# Altium PCB top_LM_v2.PcbDoc (part 3 of 5)
Units mil, origin at the board's own origin, x right, y up, seen from the top; angles counter-clockwise.
Board outline 13413.03 x 6200.01 mil, 2 copper layers (Top Layer, Bottom Layer); 718 components, 600 nets, 1834 pads, 540 vias.
Unrouted connection lines stored in the file: 144.
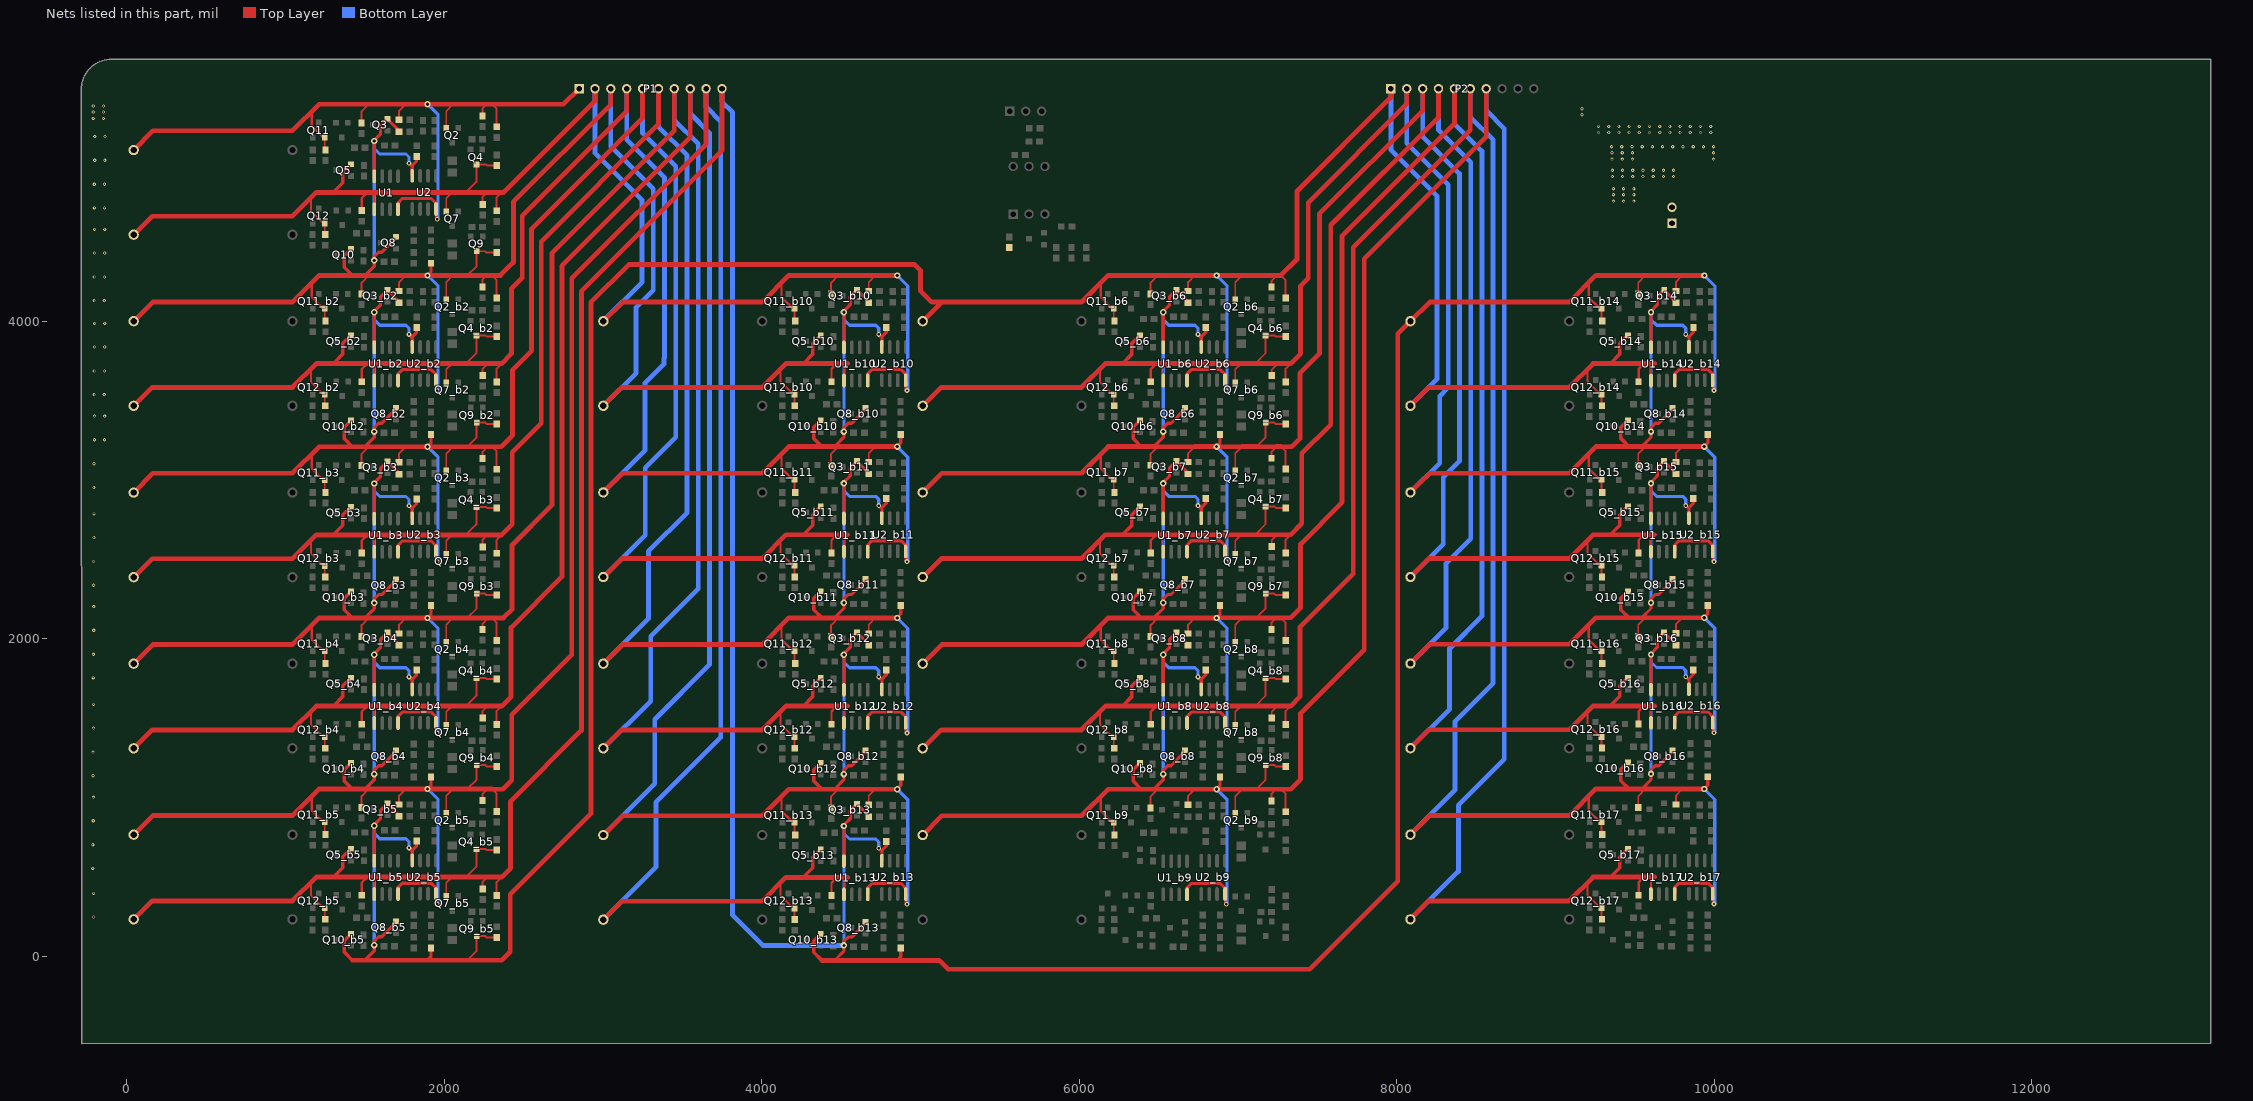
[diagram p3: the nets of this part, all layers, seen from the top]

## Via types
v1: diameter 20, hole 10, Top Layer to Bottom Layer, 453 vias
v2: diameter 40, hole 20, Top Layer to Bottom Layer, 51 vias
v3: diameter 30, hole 15, Top Layer to Bottom Layer, 34 vias
v4: diameter 125.98, hole 125.98, Top Layer to Bottom Layer, 2 vias

## Nets (pads, with @x,y where several pads share a name; then routed paths per layer and width w, separated by ;. In a path a pad name is that pad's centre, name@x,y a point inside that pad or via, vN(x,y) a via of type N, cw(c..) or ccw(c..) an arc to the next point about the centre after c; other vN are vias at no path point) (continued)
GND: P6.1 P6.2
  other v1: -208.25,247 -208,396 -212.25,553 -212,702 -209.25,853 -209,1002 -211.25,1137 -211,1286 -208.25,1437 -208,1586 -209.25,1753 -209,1902 -206.25,2053 -206,2202 -208.25,2337 -208,2486 -205.25,2637 -205,2786 -205.25,2953 -205,3102 -202.25,3253 -138,3253 -202,3402 -137.75,3402 -204.25,3537 -140,3537 -204,3686 -139.75,3686 -201.25,3837 -137,3837 -201,3986 -136.75,3986 -204.25,4129 -140,4129 -204,4278 -139.75,4278 -201.25,4429 -137,4429 -201,4578 -136.75,4578 -203.25,4713 -139,4713 9364.5,4756 9428.75,4756 9493,4756 9364.5,4796 9428.75,4796 9493,4796 9364.5,4834 9428.75,4834 9493,4834 -203,4862 -138.75,4862 9358,4910 9422.25,4910 9486.5,4910 9550.75,4910 9615,4910 9679.25,4910 9743.5,4910 9358,4950 9422.25,4950 9486.5,4950 9550.75,4950 9615,4950 9679.25,4950 9743.5,4950 -200.25,5013 -136,5013 9355.5,5020 9419.75,5020 9484,5020 9995.25,5020 9355.5,5060 9419.75,5060 9484,5060 9995.25,5060 9352.75,5098 9417,5098 9481.25,5098 9545.5,5098 9609.75,5098 9674,5098 9738.25,5098 9802.5,5098 9866.75,5098 9931,5098 9995.25,5098 -200,5162 -135.75,5162 9270.25,5188 9334.5,5188 9398.75,5188 9463,5188 9527.25,5188 9591.5,5188 9655.75,5188 9720,5188 9784.25,5188 9848.5,5188 9912.75,5188 9977,5188 9270.25,5226 9334.5,5226 9398.75,5226 9463,5226 9527.25,5226 9591.5,5226 9655.75,5226 9720,5226 9784.25,5226 9848.5,5226 9912.75,5226 9977,5226 -210,5277 -145.75,5277 9166.25,5300 -210,5317 -145.75,5317 9166.25,5338 -210,5355 -145.75,5355
IN_A0: P1.1 Q2.2 Q11.2 R1.2 R6.2 R7.2 R8.2 R9.2 R40.1 U1.8 U2.8 | length 5062.8
  Top Layer w12: Q11.2@1248.4,5157 1248.4,5082.32 R40.1@1253,5077.72 ; R6.2@1479.87,5248.46 1479.87,5320.79 1524.61,5365.54 ; R9.2@1716.54,5268.26 1716.54,5324.07 1758,5365.54 ; Q2.2@2013.26,5216 Q2.2@2013.46,5215.8 2013.46,5323 2056,5365.54 ; R7.2@2242,5292.46 2242,5339.54 2268,5365.54 ; 2301.25,5365.54 2330.87,5335.92 R8.2@2330.87,5224 R8.2@2330.4,5223.54
  Top Layer w15: 1167,5314.79 1167,5228.82 Q11.2@1238.82,5157 ; U2.8@1949,4706.05 1949,4649.26 v3(1957,4641.26)
  Top Layer w20: Q11.2@1238.82,5157 Q11.2@1248.4,5157 ; U1.8@1710,4703.77 1710,4746.26 1736,4772.26 1920,4772.26 1949,4743.26 U2.8@1949,4706.05
  Top Layer w30: R1.2@45,5077.26 166.02,5198.28 1045,5198.28 1212.25,5365.54 1524.61,5365.54 1758,5365.54 v2(1895.87,5365.54) 2056,5365.54 2268,5365.54 2301.25,5365.54 2751.54,5365.54 P1.1@2850,5464
  Bottom Layer w20: v2(1895.87,5365.54) 1962,5299.4 1962,4646.26 v3(1957,4641.26)
IN_A1: P1.3 Q2_b2.2 Q3.2 Q5_b10.2 Q8.2 Q9.3 Q10.2 Q11_b2.2 Q12_b10.2 R1_b2.2 R6_b2.2 R7_b2.2 R8_b2.2 R9_b2.2 R12.1 R14_b10.2 R19_b10.2 R24.1 R40_b2.1 R42_b10.1 R44.2 R48.2 U1.4 U1_b2.8 U1_b10.5 U2.4 U2_b2.8 | length 13379.3
  Top Layer w12: Q11_b2.2@1248.4,4079 1248.4,4004.32 R40_b2.1@1253,3999.72 ; R6_b2.2@1479.87,4170.46 1479.87,4242.79 1524.54,4287.46 1524.61,4287.54 ; R9_b2.2@1716.54,4190.26 1716.54,4246.07 1757.93,4287.46 1758,4287.54 ; Q2_b2.2@2013.46,4137.8 2013.46,4245 2055.93,4287.46 2056,4287.54 ; 2145.32,4287.54 2204.87,4347.08 Q9.3@2204.87,4440.28 2257.61,4440.28 2266.81,4431.07 R24.1@2330.87,4431.07 ; R7_b2.2@2242,4214.46 2242,4263.54 2265.93,4287.46 2266,4287.54 ; 2301.25,4287.54 2301.32,4287.46 2330.87,4257.92 R8_b2.2@2330.87,4146 R8_b2.2@2330.4,4145.54 ; 4119,3697.04 4119,3617.26 4198.26,3538 Q12_b10.2@4206.4,3538 4206.4,3469.32 R42_b10.1@4209,3466.72 ; U1_b10.5@4518,3625.77 4518,3710.54 4540,3732.54
  Top Layer w15: 1167,4236.79 1167,4150.82 Q11_b2.2@1238.82,4079 ; U2_b2.8@1949,3628.05 1949,3571.26 v3(1957,3563.26) ; R19_b10.2@4439.87,3618 4439.87,3697.54 4474.87,3732.54 4478.87,3732.54
  Top Layer w20: Q11_b2.2@1238.82,4079 Q11_b2.2@1248.4,4079 ; 1503.87,4290.07 1560,4346.2 v2(1560,4382.26) 1560,4407.26 1587,4434.26 1608.44,4434.26 1696.26,4522.08 Q8.2@1696.26,4531.66 ; U1.4@1560,4912.75 v2(1560,5134.26) 1560,5140.26 1600,5180.26 1600,5231.4 Q3.2@1643.26,5274.66 1643.26,5271.91 1716.54,5198.64 R12.1@1716.54,5193.26 ; U1_b2.8@1710,3625.77 1710,3668.26 1736,3694.26 1920,3694.26 1949,3665.26 U2_b2.8@1949,3628.05 ; v3(1779,4994.26) 1793,4980.26 1799,4980.26 ; U2.4@1799,4915.02 1799,4980.26 ; R48.2@1827,5037.8 1827,5008.26 1799,4980.26 ; v2@1894,4287.46 1894.07,4287.54 1918,4311.46 R44.2@1918,4364.8
  Top Layer w22: Q10.2@1414.13,4453.94 1370.87,4410.68 1370.87,4338.54 1421.87,4287.54 ; 4260.87,3732.54 4320.87,3792.54 4320.87,3859.68 Q5_b10.2@4372.13,3910.94
  Top Layer w30: R1_b2.2@45,3999.26 166.02,4120.28 1045,4120.28 1212.25,4287.54 1421.87,4287.54 1524.61,4287.54 ; 1524.54,4287.46 1757.93,4287.46 ; 1758,4287.54 1894.07,4287.54 v2(1895.87,4287.54) ; v2@1894,4287.46 2055.93,4287.46 2265.93,4287.46 ; 2056,4287.54 2145.32,4287.54 ; 2266,4287.46 2289,4287.46 ; 2266,4287.54 2289.07,4287.54 ; 2301.25,4287.54 2289.07,4287.54 ; R14_b10.2@3003,3466.26 3119.28,3582.54 4003,3582.54 4153,3732.54 4260.87,3732.54 4474.87,3732.54 ; P1.3@3050,5464 3050,5363.58 2437,4750.58 2437,4369.46 2355,4287.46 2301.32,4287.46 2289,4287.46 ; 4478.87,3732.54 4540,3732.54 ; 2289,4287.46 2289.07,4287.54
  Bottom Layer w20: v2(1560,4382.26) 1560,5087.26 ; v2(1560,5134.26) 1560,5087.26 ; v3(1779,4994.26) 1779,5033.26 1760,5052.26 1595,5052.26 1560,5087.26 ; v2(1895.87,4287.54) 1962,4221.4 1962,3568.26 v3(1957,3563.26)
  Bottom Layer w30: R14_b10.2@3003,3466.26 3209,3672.26 3209,4086.26 3317.74,4195 3317.74,4832.74 3050,5100.47 P1.3@3050,5464
IN_A2: P1.5 Q2_b3.2 Q3_b2.2 Q5_b11.2 Q8_b2.2 Q9_b2.3 Q10_b2.2 Q11_b3.2 Q12_b11.2 R1_b3.2 R6_b3.2 R7_b3.2 R8_b3.2 R9_b3.2 R12_b2.1 R14_b11.2 R19_b11.2 R24_b2.1 R40_b3.1 R42_b11.1 R44_b2.2 R48_b2.2 U1_b2.4 U1_b3.8 U1_b11.5 U2_b2.4 U2_b3.8 | length 15650.2
  Top Layer w12: Q11_b3.2@1248.4,3000 1248.4,2925.32 R40_b3.1@1253,2920.72 ; R6_b3.2@1479.87,3091.46 1479.87,3163.79 1524.61,3208.54 ; R9_b3.2@1716.54,3111.26 1716.54,3167.07 1758,3208.54 ; Q2_b3.2@2013.46,3058.8 2013.46,3166 2056,3208.54 ; 2145.25,3209.46 2204.87,3269.08 Q9_b2.3@2204.87,3362.28 2257.61,3362.28 2266.81,3353.07 R24_b2.1@2330.87,3353.07 ; R7_b3.2@2242,3135.46 2242,3177.46 2273.07,3208.54 2274,3209.46 ; 2301.25,3208.54 2330.87,3178.92 R8_b3.2@2330.87,3067 R8_b3.2@2330.4,3066.54 ; 4119,2619.04 4119,2539.26 4198.26,2460 Q12_b11.2@4206.4,2460 4206.4,2391.32 R42_b11.1@4209,2388.72 ; U1_b11.5@4518,2547.77 4518,2632.54 4540,2654.54
  Top Layer w15: 1167,3157.79 1167,3071.82 Q11_b3.2@1238.82,3000 ; U2_b3.8@1949,2549.05 1949,2492.26 v3(1957,2484.26) ; R19_b11.2@4439.87,2540 4439.87,2619.54 4474.87,2654.54 4478.87,2654.54
  Top Layer w20: Q11_b3.2@1238.82,3000 Q11_b3.2@1248.4,3000 ; 1503.87,3212.07 1560,3268.2 v2(1560,3304.26) 1560,3329.26 1587,3356.26 1608.44,3356.26 1696.26,3444.08 Q8_b2.2@1696.26,3453.66 ; U1_b2.4@1560,3834.75 v2(1560,4056.26) 1560,4062.26 1600,4102.26 1600,4153.4 Q3_b2.2@1643.26,4196.66 1643.26,4193.91 1716.54,4120.64 R12_b2.1@1716.54,4115.26 ; U1_b3.8@1710,2546.77 1710,2589.26 1736,2615.26 1920,2615.26 1949,2586.26 U2_b3.8@1949,2549.05 ; v3(1779,3916.26) 1793,3902.26 1799,3902.26 ; U2_b2.4@1799,3837.02 1799,3902.26 ; R48_b2.2@1827,3959.8 1827,3930.26 1799,3902.26 ; v2@1894,3209.46 1918,3233.46 R44_b2.2@1918,3286.8
  Top Layer w22: Q10_b2.2@1414.13,3375.94 1370.87,3332.68 1370.87,3260.54 1421.94,3209.46 ; 4260.87,2654.54 4320.87,2714.54 4320.87,2781.68 Q5_b11.2@4372.13,2832.94
  Top Layer w30: R1_b3.2@45,2920.26 166.02,3041.28 1045,3041.28 1212.25,3208.54 1524.61,3208.54 1758,3208.54 v2(1895.87,3208.54) ; v2@1894,3209.46 2145.25,3209.46 ; 2056,3208.54 2273.07,3208.54 ; 2274,3208.54 2301.25,3208.54 ; 2274,3209.46 2359,3209.46 2431,3281.46 2431,3694 2551,3814 2551,4581.74 3250,5280.74 P1.5@3250,5464 ; R14_b11.2@3003,2388.26 3119.28,2504.54 4003,2504.54 4153,2654.54 4260.87,2654.54 4474.87,2654.54 ; 4478.87,2654.54 4540,2654.54
  Bottom Layer w20: v2(1560,3304.26) 1560,4009.26 ; v2(1560,4056.26) 1560,4009.26 ; v3(1779,3916.26) 1779,3955.26 1760,3974.26 1595,3974.26 1560,4009.26 ; v2(1895.87,3208.54) 1962,3142.4 1962,2489.26 v3(1957,2484.26)
  Bottom Layer w30: R14_b11.2@3003,2388.26 3267,2652.26 3267,3077 3459.16,3269.16 3459.16,4974.16 3250,5183.31 P1.5@3250,5464
IN_A3: P1.7 Q2_b4.2 Q3_b3.2 Q5_b12.2 Q8_b3.2 Q9_b3.3 Q10_b3.2 Q11_b4.2 Q12_b12.2 R1_b4.2 R6_b4.2 R7_b4.2 R8_b4.2 R9_b4.2 R12_b3.1 R14_b12.2 R19_b12.2 R24_b3.1 R40_b4.1 R42_b12.1 R44_b3.2 R48_b3.2 U1_b3.4 U1_b4.8 U1_b12.5 U2_b3.4 U2_b4.8 | length 18697.9
  Top Layer w12: Q11_b4.2@1248.4,1922 1248.4,1847.32 R40_b4.1@1253,1842.72 ; R6_b4.2@1479.87,2013.46 1479.87,2085.79 1524.54,2130.46 1524.61,2130.54 ; R9_b4.2@1716.54,2033.26 1716.54,2089.07 1757.93,2130.46 1758,2130.54 ; Q2_b4.2@2013.26,1981 Q2_b4.2@2013.46,1980.8 2013.46,2088 2055.93,2130.46 2056,2130.54 ; 2145.25,2130.46 2145.32,2130.54 2204.87,2190.08 Q9_b3.3@2204.87,2283.28 2257.61,2283.28 2266.81,2274.07 R24_b3.1@2330.87,2274.07 ; R7_b4.2@2242,2057.46 2242,2095.46 2277,2130.46 ; 2301.25,2130.54 2301.32,2130.46 2330.87,2100.92 R8_b4.2@2330.87,1989 R8_b4.2@2330.4,1988.54 ; 4119,1540.04 4119,1460.26 4198.26,1381 Q12_b12.2@4206.4,1381 4206.4,1312.32 R42_b12.1@4209,1309.72 ; U1_b12.5@4518,1468.77 4518,1553.54 4540,1575.54
  Top Layer w15: 1167,2079.79 1167,1993.82 Q11_b4.2@1238.82,1922 ; U2_b4.8@1949,1471.05 1949,1414.26 v3(1957,1406.26) ; R19_b12.2@4439.87,1461 4439.87,1540.54 4474.87,1575.54 4478.87,1575.54
  Top Layer w20: Q11_b4.2@1238.82,1922 Q11_b4.2@1248.4,1922 ; 1503.87,2133.07 1560,2189.2 v2(1560,2225.26) 1560,2250.26 1587,2277.26 1608.44,2277.26 1696.26,2365.08 Q8_b3.2@1696.26,2374.66 ; 1523.87,2129.54 1524.8,2130.46 ; U1_b3.4@1560,2755.75 v2(1560,2977.26) 1560,2983.26 1600,3023.26 1600,3074.4 Q3_b3.2@1643.26,3117.66 1643.26,3114.91 1716.54,3041.64 R12_b3.1@1716.54,3036.26 ; U1_b4.8@1710,1468.77 1710,1511.26 1736,1537.26 1920,1537.26 1949,1508.26 U2_b4.8@1949,1471.05 ; v3(1779,2837.26) 1793,2823.26 1799,2823.26 ; U2_b3.4@1799,2758.02 1799,2823.26 ; R48_b3.2@1827,2880.8 1827,2851.26 1799,2823.26 ; v2@1894,2130.46 1894.07,2130.54 1918,2154.46 R44_b3.2@1918,2207.8
  Top Layer w22: Q10_b3.2@1414.13,2296.94 1370.87,2253.68 1370.87,2181.54 1421.87,2130.54 1421.94,2130.46 ; 4260.87,1575.54 4320.87,1635.54 4320.87,1702.68 Q5_b12.2@4372.13,1753.94
  Top Layer w30: R1_b4.2@45,1842.26 166.02,1963.28 1045,1963.28 1212.25,2130.54 1421.87,2130.54 1524.61,2130.54 1758,2130.54 1894.07,2130.54 v2(1895.87,2130.54) 2056,2130.54 2145.32,2130.54 2301.25,2130.54 ; 1421.94,2130.46 1524.54,2130.46 1524.8,2130.46 1757.93,2130.46 1894,2130.46 2055.93,2130.46 2145.25,2130.46 2277,2130.46 2301.32,2130.46 2374,2130.46 2428,2184.46 2428,2590 2679,2841 2679,4426.89 3450,5197.89 P1.7@3450,5464 ; R14_b12.2@3003,1309.26 3119.28,1425.54 4003,1425.54 4153,1575.54 4260.87,1575.54 4474.87,1575.54 ; 4478.87,1575.54 4540,1575.54
  Bottom Layer w20: v2(1560,2225.26) 1560,2930.26 ; v2(1560,2977.26) 1560,2930.26 ; v3(1779,2837.26) 1779,2876.26 1760,2895.26 1595,2895.26 1560,2930.26 ; v2(1895.87,2130.54) 1962,2064.4 1962,1411.26 v3(1957,1406.26)
  Bottom Layer w30: R14_b12.2@3003,1309.26 3301,1607.26 3301,2014 3600.58,2313.58 3600.58,5115.58 3450,5266.16 P1.7@3450,5464
IN_A4: P1.9 Q2_b5.2 Q3_b4.2 Q5_b13.2 Q8_b4.2 Q9_b4.3 Q10_b4.2 Q11_b5.2 Q12_b13.2 R1_b5.2 R6_b5.2 R7_b5.2 R8_b5.2 R9_b5.2 R12_b4.1 R14_b13.2 R19_b13.2 R24_b4.1 R40_b5.1 R42_b13.1 R44_b4.2 R48_b4.2 U1_b4.4 U1_b5.8 U1_b13.5 U2_b4.4 U2_b5.8 | length 20966.2
  Top Layer w12: Q11_b5.2@1248.4,845 1248.4,770.32 R40_b5.1@1253,765.72 ; R6_b5.2@1479.87,936.46 1479.87,1008.79 1523.54,1052.46 1524.61,1053.54 ; R9_b5.2@1716.54,956.26 1716.54,1012.07 1756.93,1052.46 1758,1053.54 ; Q2_b5.2@2013.26,904 Q2_b5.2@2013.46,903.8 2013.46,1011 2054.93,1052.46 2056,1053.54 ; 2145.25,1052.46 2146.32,1053.54 2204.87,1112.08 Q9_b4.3@2204.87,1205.28 2257.61,1205.28 2266.81,1196.07 R24_b4.1@2330.87,1196.07 ; R7_b5.2@2242,980.46 2242,1023.46 2271,1052.46 ; 2301.25,1053.54 2302.32,1052.46 2330.87,1023.92 R8_b5.2@2330.87,912 R8_b5.2@2330.4,911.54 ; 4119,461.04 4119,381.26 4198.26,302 Q12_b13.2@4206.4,302 4206.4,233.32 R42_b13.1@4209,230.72 ; U1_b13.5@4518,389.77 4518,474.54 4540,496.54
  Top Layer w15: 1167,1002.79 1167,916.82 Q11_b5.2@1238.82,845 ; U2_b5.8@1949,394.05 1949,337.26 v3(1957,329.26) ; R19_b13.2@4439.87,382 4439.87,461.54 4474.87,496.54 4478.87,496.54
  Top Layer w20: Q11_b5.2@1238.82,845 Q11_b5.2@1248.4,845 ; 1503.87,1055.07 1560,1111.2 v2(1560,1147.26) 1560,1172.26 1587,1199.26 1608.44,1199.26 1696.26,1287.08 Q8_b4.2@1696.26,1296.66 ; 1523.87,1051.54 1524.8,1052.46 ; U1_b4.4@1560,1677.75 v2(1560,1899.26) 1560,1905.26 1600,1945.26 1600,1996.4 Q3_b4.2@1643.26,2039.66 1643.26,2036.91 1716.54,1963.64 R12_b4.1@1716.54,1958.26 ; U1_b5.8@1710,391.77 1710,434.26 1736,460.26 1920,460.26 1949,431.26 U2_b5.8@1949,394.05 ; v3(1779,1759.26) 1793,1745.26 1799,1745.26 ; U2_b4.4@1799,1680.02 1799,1745.26 ; R48_b4.2@1827,1802.8 1827,1773.26 1799,1745.26 ; v2@1894,1052.46 1895.07,1053.54 1918,1076.46 R44_b4.2@1918,1129.8
  Top Layer w22: Q10_b4.2@1414.13,1218.94 1370.87,1175.68 1370.87,1103.54 1420.87,1053.54 1421.94,1052.46 ; 4260.87,496.54 4320.87,556.54 4320.87,623.68 Q5_b13.2@4372.13,674.94
  Top Layer w30: R1_b5.2@45,765.26 166.02,886.28 1045,886.28 1212.25,1053.54 1420.87,1053.54 1524.61,1053.54 1758,1053.54 1895.07,1053.54 v2(1895.87,1053.54) 2056,1053.54 2146.32,1053.54 2301.25,1053.54 ; 1421.94,1052.46 1523.54,1052.46 1524.8,1052.46 1756.93,1052.46 1894,1052.46 2054.93,1052.46 2145.25,1052.46 2271,1052.46 2302.32,1052.46 2370,1052.46 2426,1108.46 2426,1520 2804,1898 2804,4269.05 3650,5115.05 P1.9@3650,5464 ; R14_b13.2@3003,230.26 3119.28,346.54 4003,346.54 4153,496.54 4260.87,496.54 4474.87,496.54 ; 4478.87,496.54 4540,496.54
  Bottom Layer w20: v2(1560,1147.26) 1560,1852.26 ; v2(1560,1899.26) 1560,1852.26 ; v3(1779,1759.26) 1779,1798.26 1760,1817.26 1595,1817.26 1560,1852.26 ; v2(1895.87,1053.54) 1962,987.4 1962,334.26 v3(1957,329.26)
  Bottom Layer w30: R14_b13.2@3003,230.26 3334,561.26 3334,970 3742,1378 3742,5257 3650,5349 P1.9@3650,5464
IN_A5: P2.1 Q2_b6.2 Q3_b5.2 Q5_b14.2 Q8_b5.2 Q9_b5.3 Q10_b5.2 Q11_b6.2 Q12_b14.2 R1_b6.2 R6_b6.2 R7_b6.2 R8_b6.2 R9_b6.2 R12_b5.1 R14_b14.2 R19_b14.2 R24_b5.1 R40_b6.1 R42_b14.1 R44_b5.2 R48_b5.2 U1_b5.4 U1_b6.8 U1_b14.5 U2_b5.4 U2_b6.8 | length 20950.3
  Top Layer w12: 2145.25,-24.54 2204.87,35.08 Q9_b5.3@2204.87,128.28 2257.61,128.28 2266.81,119.07 R24_b5.1@2330.87,119.07 ; Q11_b6.2@6217.65,4079 6217.65,4004.32 R40_b6.1@6222.25,3999.72 ; R6_b6.2@6449.12,4170.46 6449.12,4242.79 6493.87,4287.54 ; R9_b6.2@6685.79,4190.26 6685.79,4246.07 6727.25,4287.54 ; Q2_b6.2@6982.51,4138 Q2_b6.2@6982.72,4137.8 6982.72,4245 7025.25,4287.54 ; R7_b6.2@7211.25,4214.46 7211.25,4253.79 7245,4287.54 ; 7270.5,4287.54 7300.12,4257.92 R8_b6.2@7300.12,4146 R8_b6.2@7299.65,4145.54 ; 9202,3697.04 9202,3617.26 9281.26,3538 Q12_b14.2@9289.4,3538 9289.4,3469.32 R42_b14.1@9292,3466.72 ; U1_b14.5@9601,3625.77 9601,3710.54 9623,3732.54
  Top Layer w15: 6136.25,4236.79 6136.25,4150.82 Q11_b6.2@6208.07,4079 ; U2_b6.8@6918.25,3628.05 6918.25,3571.26 v3(6926.25,3563.26) ; R19_b14.2@9522.87,3618 9522.87,3697.54 9557.87,3732.54 9561.87,3732.54
  Top Layer w20: 1503.87,-21.93 1560,34.2 v2(1560,70.26) 1560,95.26 1587,122.26 1608.44,122.26 1696.26,210.08 Q8_b5.2@1696.26,219.66 ; 1523.87,-25.46 1524.8,-24.54 ; U1_b5.4@1560,600.75 v2(1560,822.26) 1560,828.26 1600,868.26 1600,919.4 Q3_b5.2@1643.26,962.66 1643.26,959.91 1716.54,886.64 R12_b5.1@1716.54,881.26 ; v3(1779,682.26) 1793,668.26 1799,668.26 ; U2_b5.4@1799,603.02 1799,668.26 ; R48_b5.2@1827,725.8 1827,696.26 1799,668.26 ; 1894,-24.54 1918,-0.54 R44_b5.2@1918,52.8 ; Q11_b6.2@6208.07,4079 Q11_b6.2@6217.65,4079 ; U1_b6.8@6679.25,3625.77 6679.25,3668.26 6705.25,3694.26 6889.25,3694.26 6918.25,3665.26 U2_b6.8@6918.25,3628.05
  Top Layer w22: Q10_b5.2@1414.13,141.94 1370.87,98.68 1370.87,26.54 1421.94,-24.54 ; 9343.87,3732.54 9403.87,3792.54 9403.87,3859.68 Q5_b14.2@9455.13,3910.94
  Top Layer w30: 1421.94,-24.54 1524.8,-24.54 1894,-24.54 2145.25,-24.54 2363,-24.54 2417,29.46 2417,390 2925,898 2925,4118 3163,4356 4964,4356 5000,4320 5000,4191 5070.72,4120.28 5135.28,4120.28 ; R1_b6.2@5014.25,3999.26 5135.28,4120.28 ; P2.1@7963,5464 7963,5409 7371.5,4817.5 7371.5,4388.53 7270.5,4287.54 7245,4287.54 7025.25,4287.54 v2(6865.12,4287.54) 6727.25,4287.54 6493.87,4287.54 6181.5,4287.54 6014.25,4120.28 5135.28,4120.28 ; R14_b14.2@8086,3466.26 8202.28,3582.54 9086,3582.54 9236,3732.54 9343.87,3732.54 9557.87,3732.54 ; 9561.87,3732.54 9623,3732.54
  Bottom Layer w20: v2(1560,70.26) 1560,775.26 ; v2(1560,822.26) 1560,775.26 ; v3(1779,682.26) 1779,721.26 1760,740.26 1595,740.26 1560,775.26 ; v2(6865.12,4287.54) 6931.25,4221.4 6931.25,3568.26 v3(6926.25,3563.26)
  Bottom Layer w30: P2.1@7963,5464 7963,5078.05 8253.03,4788.03 8253.03,3633.28 R14_b14.2@8086,3466.26
IN_A6: P2.3 Q2_b7.2 Q3_b6.2 Q5_b15.2 Q8_b6.2 Q9_b6.3 Q10_b6.2 Q11_b7.2 Q12_b15.2 R1_b7.2 R6_b7.2 R7_b7.2 R8_b7.2 R9_b7.2 R12_b6.1 R14_b15.2 R19_b15.2 R24_b6.1 R40_b7.1 R42_b15.1 R44_b6.2 R48_b6.2 U1_b6.4 U1_b7.8 U1_b15.5 U2_b6.4 U2_b7.8 | length 15581.3
  Top Layer w12: Q11_b7.2@6217.65,3001 6217.65,2926.32 R40_b7.1@6222.25,2921.72 ; R6_b7.2@6449.12,3092.46 6449.12,3164.79 6493.8,3209.46 6493.87,3209.54 ; R9_b7.2@6685.79,3112.26 6685.79,3168.07 6727.18,3209.46 6727.25,3209.54 ; Q2_b7.2@6982.72,3059.8 6982.72,3167 7025.18,3209.46 7025.25,3209.54 ; 7114.57,3209.54 7174.12,3269.08 Q9_b6.3@7174.12,3362.28 7226.86,3362.28 7236.06,3353.07 R24_b6.1@7300.12,3353.07 ; R7_b7.2@7211.25,3136.46 7211.25,3177.79 7242.93,3209.46 7243,3209.54 ; 7270.5,3209.54 7270.57,3209.46 7300.12,3179.92 R8_b7.2@7300.12,3068 R8_b7.2@7299.65,3067.54 ; 9201.75,2619.04 9201.75,2539.26 9281.01,2460 Q12_b15.2@9289.15,2460 9289.15,2391.32 R42_b15.1@9291.75,2388.72 ; U1_b15.5@9600.75,2547.77 9600.75,2632.54 9622.75,2654.54
  Top Layer w15: 6136.25,3158.79 6136.25,3072.82 Q11_b7.2@6208.07,3001 ; U2_b7.8@6918.25,2550.05 6918.25,2493.26 v3(6926.25,2485.26) ; R19_b15.2@9522.61,2540 9522.61,2619.54 9557.61,2654.54 9561.61,2654.54
  Top Layer w20: Q11_b7.2@6208.07,3001 Q11_b7.2@6217.65,3001 ; 6473.12,3212.07 6529.25,3268.2 v2(6529.25,3304.26) 6529.25,3329.26 6556.25,3356.26 6577.69,3356.26 6665.51,3444.08 Q8_b6.2@6665.51,3453.66 ; U1_b6.4@6529.25,3834.75 v2(6529.25,4056.26) 6529.25,4062.26 6569.25,4102.26 6569.25,4153.4 Q3_b6.2@6612.51,4196.66 6612.51,4193.91 6685.79,4120.64 R12_b6.1@6685.79,4115.26 ; U1_b7.8@6679.25,2547.77 6679.25,2590.26 6705.25,2616.26 6889.25,2616.26 6918.25,2587.26 U2_b7.8@6918.25,2550.05 ; v3(6748.25,3916.26) 6762.25,3902.26 6768.25,3902.26 ; U2_b6.4@6768.25,3837.02 6768.25,3902.26 ; R48_b6.2@6796.25,3959.8 6796.25,3930.26 6768.25,3902.26 ; v2@6863.25,3209.46 6863.32,3209.54 6887.25,3233.46 R44_b6.2@6887.25,3286.8
  Top Layer w22: Q10_b6.2@6383.38,3375.94 6340.12,3332.68 6340.12,3260.54 6391.12,3209.54 ; 9343.61,2654.54 9403.61,2714.54 9403.61,2781.68 Q5_b15.2@9454.87,2832.94
  Top Layer w30: R1_b7.2@5014.25,2921.26 5135.28,3042.28 6014.25,3042.28 6181.5,3209.54 6391.12,3209.54 6493.87,3209.54 ; 6493.8,3209.46 6727.18,3209.46 ; 6727.25,3209.54 6863.32,3209.54 v2(6865.12,3209.54) ; v2@6863.25,3209.46 7025.18,3209.46 7242.93,3209.46 ; 7025.25,3209.54 7114.57,3209.54 ; 7243,3209.46 7270.57,3209.46 7339,3209.46 7390,3260.46 7390,3671 7512.92,3793.92 7512.92,4676.08 8163,5326.16 P2.3@8163,5464 ; 7243,3209.54 7270.5,3209.54 ; R14_b15.2@8085.75,2388.26 8202.02,2504.54 9085.75,2504.54 9235.75,2654.54 9343.61,2654.54 9557.61,2654.54 ; 9561.61,2654.54 9622.75,2654.54
  Bottom Layer w20: v2(6529.25,3304.26) 6529.25,4009.26 ; v2(6529.25,4056.26) 6529.25,4009.26 ; v3(6748.25,3916.26) 6748.25,3955.26 6729.25,3974.26 6564.25,3974.26 6529.25,4009.26 ; v2(6865.12,3209.54) 6931.25,3143.4 6931.25,2490.26 v3(6926.25,2485.26)
  Bottom Layer w30: R14_b15.2@8085.75,2388.26 8293,2595.51 8293,3016.55 8394.45,3118 8394.45,4929.45 8163,5160.89 P2.3@8163,5464
IN_A7: P2.5 Q2_b8.2 Q3_b7.2 Q5_b16.2 Q8_b7.2 Q9_b7.3 Q10_b7.2 Q11_b8.2 Q12_b16.2 R1_b8.2 R6_b8.2 R7_b8.2 R8_b8.2 R9_b8.2 R12_b7.1 R14_b16.2 R19_b16.2 R24_b7.1 R40_b8.1 R42_b16.1 R44_b7.2 R48_b7.2 U1_b7.4 U1_b8.8 U1_b16.5 U2_b7.4 U2_b8.8 | length 17851.8
  Top Layer w12: Q11_b8.2@6217.65,1922 6217.65,1847.32 R40_b8.1@6222.25,1842.72 ; R6_b8.2@6449.12,2013.46 6449.12,2085.79 6493.87,2130.54 ; R9_b8.2@6685.79,2033.26 6685.79,2089.07 6727.25,2130.54 ; Q2_b8.2@6982.72,1980.8 6982.72,2088 7025.25,2130.54 ; 7114.5,2131.46 7174.12,2191.08 Q9_b7.3@7174.12,2284.28 7226.86,2284.28 7236.06,2275.07 R24_b7.1@7300.12,2275.07 ; R7_b8.2@7211.25,2057.46 7211.25,2102.72 7239.07,2130.54 7240,2131.46 ; 7270.5,2130.54 7300.12,2100.92 R8_b8.2@7300.12,1989 R8_b8.2@7299.65,1988.54 ; 9201.75,1541.04 9201.75,1461.26 9281.01,1382 Q12_b16.2@9289.15,1382 9289.15,1313.32 R42_b16.1@9291.75,1310.72 ; U1_b16.5@9600.75,1469.77 9600.75,1554.54 9622.75,1576.54